# Altium PCB DIOT_template.PcbDoc (part 1 of 2) (continued)
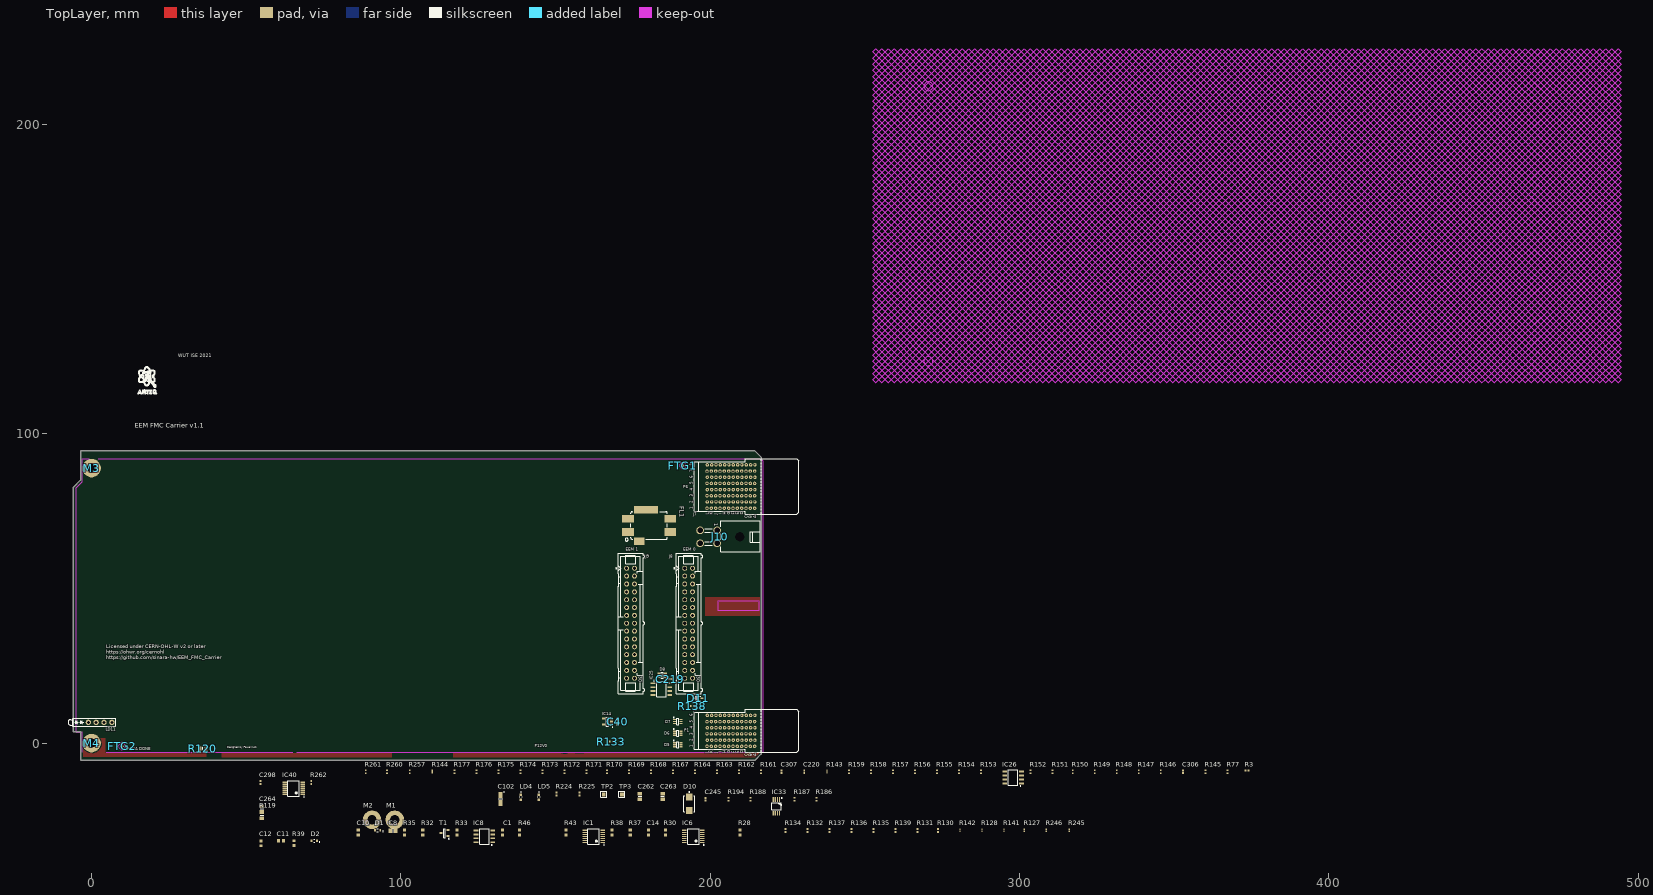
[diagram p0: TopLayer view]
## Design rules (kind name [scope] priority, off if disabled: settings) (continued)
RoutingLayers RoutingLayers_1 [InAnyDifferentialPair] p1: top layer_v5=TRUE mid layer 1_v5=FALSE mid layer 2_v5=TRUE mid layer 7_v5=TRUE bottom layer_v5=TRUE
RoutingLayers RoutingLayers_2 [InNetClass('50Ohm')] p2: top layer_v5=TRUE mid layer 1_v5=FALSE mid layer 2_v5=TRUE mid layer 7_v5=TRUE bottom layer_v5=TRUE
RoutingLayers [All] p3: top layer_v5=TRUE mid layer 1_v5=TRUE mid layer 2_v5=TRUE mid layer 7_v5=TRUE bottom layer_v5=TRUE
RoutingTopology RoutingTopology_DDRAddressAndControls [InNetClass('DDR_AddressAndControls')] p1: topology=Daisy_Simple
RoutingTopology RoutingTopology_DDRAddressAndControls_1 [InNetClass('DDR_AddressAndControls_1')] p2: topology=Daisy_Simple
RoutingTopology [All] p3: topology=Shortest
RoutingVias RoutingVias_3 [InDifferentialPairClass('MGT')] p1: holewidth=0.15 width=0.35 viastyle="Through Hole" minholewidth=0.15 minwidth=0.35 maxholewidth=0.6 maxwidth=0.8 useviatemplates=TRUE viatemplateguid#1={168CC3D4-46A9-4D9D-BB95-029752B0A818} viatemplateguid#2={8CC95450-9C4C-4A66-BFBB-022CCA0C80F0} viatemplatename#1=v40h20 viatemplatename#2=v50h20
RoutingVias RoutingVias_1 [InDifferentialPairClass('LVPECL')] p2: holewidth=0.15 width=0.35 viastyle="Through Hole" minholewidth=0.15 minwidth=0.35 maxholewidth=0.6 maxwidth=0.8 useviatemplates=TRUE viatemplateguid#1={168CC3D4-46A9-4D9D-BB95-029752B0A818} viatemplatename#1=v40h20
RoutingVias RoutingVias_diff [InDifferentialPairClass('Diff_100Ohm')] p3: holewidth=0.711 width=1.27 viastyle="Through Hole" minholewidth=0.711 minwidth=1.27 maxholewidth=0.711 maxwidth=1.27 useviatemplates=TRUE viatemplateguid#1={168CC3D4-46A9-4D9D-BB95-029752B0A818} viatemplateguid#2={8CC95450-9C4C-4A66-BFBB-022CCA0C80F0} viatemplatename#1=v40h20 viatemplatename#2=v50h20
RoutingVias RoutingVias_2 [InNetClass('PWR')] p4: holewidth=0.15 width=0.35 viastyle="Through Hole" minholewidth=0.15 minwidth=0.35 maxholewidth=0.6 maxwidth=0.8 useviatemplates=TRUE viatemplateguid#1={168CC3D4-46A9-4D9D-BB95-029752B0A818} viatemplateguid#2={8CC95450-9C4C-4A66-BFBB-022CCA0C80F0} viatemplateguid#3={6D5B961F-E4A3-4BBF-BC74-0D55AAD43065} viatemplateguid#4={7BA2FAF8-F5E9-4BF3-9BD8-21DB5C2C29C0} viatemplatename#1=v40h20 viatemplatename#2=v50h20 viatemplatename#3=v50h20m55 viatemplatename#4=v80h50
RoutingVias [All] p5: holewidth=0.15 width=0.35 viastyle="Through Hole" minholewidth=0.15 minwidth=0.35 maxholewidth=0.6 maxwidth=0.8 useviatemplates=TRUE viatemplateguid#1={168CC3D4-46A9-4D9D-BB95-029752B0A818} viatemplateguid#2={8CC95450-9C4C-4A66-BFBB-022CCA0C80F0} viatemplateguid#3={7BA2FAF8-F5E9-4BF3-9BD8-21DB5C2C29C0} viatemplatename#1=v40h20 viatemplatename#2=v50h20 viatemplatename#3=v80h50
SMDEntry [All] p1 off: side=TRUE corner=TRUE anyangle=FALSE
SilkToSilkClearance [All] p1: silktosilkclearance=0.15
SilkToSolderMaskClearance SilkscreenOverComponentPads [IsPad] p1: minsilkscreentomaskgap=0.025 clearancetoexposedcopper=FALSE
SolderMaskExpansion SolderMaskExpansion_1 [IsVia] p1: expansion=0.05 istentingtop=TRUE
SolderMaskExpansion [All] p2: expansion=0.05 istentingtop=FALSE
StubLength [All] p1: limit=3
SupplyNets "Schematic Supply Nets_7" [InNet('GND')] p1: voltage=0.000
SupplyNets "Schematic Supply Nets_6" [InNet('P3V3_MP2')] p2: voltage=0.000
SupplyNets "Schematic Supply Nets_5" [InNet('P3V3_DIOT')] p3: voltage=0.000
SupplyNets "Schematic Supply Nets_4" [InNet('P12V0_DIOT')] p4: voltage=0.000
SupplyNets "Schematic Supply Nets_3" [InNet('P3V3_MP')] p5: voltage=0.000
SupplyNets "Schematic Supply Nets_2" [InNet('STRIP1')] p6: voltage=0.000
SupplyNets "Schematic Supply Nets_1" [InNet('P12V0')] p7: voltage=0.000
SupplyNets "Schematic Supply Nets" [InNet('P3V3')] p8: voltage=0.000
UnConnectedPin [All] p1 off:
UnRoutedNet UnRoutedNet_1 [Not (InNet('STRIP1') or InNet('FMC_VIO_B_M2C'))] p2:
UnpouredPolygon UnpouredPolygon_1 [InPolygonClass('Copper_Balancing')] p1: allowunpoured=TRUE
UnpouredPolygon [All] p2:
ViasUnderSMD [All] p1: allowed=TRUE
Width Width_pwr [InNetClass('PWR')] p1: maxlimit=2 minlimit=0.3 preferedwidth=0.3 minimp=50.000000 maximp=50.000000 favimp=50.000000
Width Width_50Ohm [InNetClass('50Ohm')] p2: maxlimit=1 minlimit=0.167 preferedwidth=0.268 toplayer_maxwidth=0.167 toplayer_prefwidth=0.167 midlayer2_minwidth=0.268 midlayer2_maxwidth=0.268 midlayer7_minwidth=0.268 midlayer7_maxwidth=0.268 bottomlayer_maxwidth=0.167 bottomlayer_prefwidth=0.167 impedanceprofiledriven=TRUE impedanceprofileid={766963E9-4C46-4FD0-92C7-72FE31CC1419} impedanceprofilevalue=50.000000 minimp=50.000000 maximp=50.000000 favimp=50.000000
Width [All] p3: maxlimit=2 minlimit=0.08 preferedwidth=0.125 toplayer_minwidth=0.09 bottomlayer_minwidth=0.09 minimp=50.000000 maximp=50.000000 favimp=50.000000
13 further rules are at their usual default settings.

## Classes and differential pairs
component class EEM_Connectors: C219 C220 C298 C306 C307 D8 IC25 IC26 IC40 IC42 IC43 J8 J9 R3 R77 R143 R144 R145 R146 R147 R148 R149 R150 R151 R152 R153 R154 R155 R156 R157 R158 R159 R161 R162 R163 R164 R167 R168 R169 R170 R171 R172 R173 R174 R175 R176 R177 R257 R260 R261 R262
differential pair class MGT: BP_MGT.Rx BP_MGT.Tx BP_MGT_Rx BP_MGT_Tx FMC_MGT.DP_C2M0 FMC_MGT.DP_C2M1 FMC_MGT.DP_C2M2 FMC_MGT.DP_C2M3 FMC_MGT.DP_C2M4 FMC_MGT.DP_C2M5 FMC_MGT.DP_C2M6 FMC_MGT.DP_C2M7 FMC_MGT.DP_C2M8 FMC_MGT.DP_C2M9 FMC_MGT.DP_M2C0 FMC_MGT.DP_M2C1 FMC_MGT.DP_M2C2 FMC_MGT.DP_M2C3 FMC_MGT.DP_M2C4 FMC_MGT.DP_M2C5 FMC_MGT.DP_M2C6 FMC_MGT.DP_M2C7 FMC_MGT.DP_M2C8 FMC_MGT.DP_M2C9 MGT_RX0 MGT_RX1 MGT_RX2 MGT_RX3 MGT_RXC3 MGT_TX0 MGT_TX1 MGT_TX2 MGT_TX3 MGT_TXC3
net class LVDS_DUAL_P[0..4]: LVDS_DUAL_P0 LVDS_DUAL_P1 LVDS_DUAL_P2 LVDS_DUAL_P3 LVDS_DUAL_P4
net class LVDS_DUAL_N[0..4]: LVDS_DUAL_N0 LVDS_DUAL_N1 LVDS_DUAL_N2 LVDS_DUAL_N3 LVDS_DUAL_N4
net class ESD_STRIP: STRIP1 STRIP2 STRIP3
net class PWR: NetC264_2 P12V0 P12V0_DIOT
differential pair class Diff_100Ohm: BP_IO.LVDS0 BP_IO.LVDS1 BP_IO.LVDS2 BP_IO.LVDS3 BP_IO.LVDS4 BP_IO.LVDS5 BP_IO.LVDS6 BP_IO.LVDS7 BP_IO.LVDS8 BP_IO.LVDS9 BP_IO.LVDS10 BP_IO.LVDS11 BP_IO.LVDS12 BP_IO.LVDS13 BP_IO.LVDS14 BP_IO.LVDS15 CK_MMCX CK_MMCX_ALT CK_MMCX_IN CK_OSC CK_OSC_ALT CK_SMA CK_SMA_ALT CK_SMA_IN DDR3_CK DDR3_LDQS DDR3_UDQS EEM_IO.LVDS0 EEM_IO.LVDS1 EEM_IO.LVDS2 EEM_IO.LVDS3 EEM_IO.LVDS4 EEM_IO.LVDS5 EEM_IO.LVDS6 EEM_IO.LVDS7 EEM_IO.LVDS8 EEM_IO.LVDS9 EEM_IO.LVDS10 EEM_IO.LVDS11 EEM_IO.LVDS12 EEM_IO.LVDS13 EEM_IO.LVDS14 EEM_IO.LVDS15 FMC.HA0 FMC.HA1 FMC.HA2 FMC.HA3 FMC.HA4 FMC.HA5 FMC.HA6 FMC.HA7 FMC.HA8 FMC.HA9 FMC.HA10 FMC.HA11 FMC.HA12 FMC.HA13 FMC.HA14 FMC.HA15 FMC.HA16 FMC.HA17 FMC.HA18 FMC.HA19 FMC.HA20 FMC.HA21 FMC.HA22 FMC.HA23 FMC.HB0 FMC.HB1 FMC.HB2 FMC.HB3 FMC.HB4 FMC.HB5 FMC.HB6 FMC.HB7 FMC.HB8 FMC.HB9 FMC.HB10 FMC.HB11 FMC.HB12 FMC.HB13 FMC.HB14 FMC.HB15 FMC.HB16 FMC.HB17 FMC.HB18 FMC.HB19 FMC.HB20 FMC.HB21 FMC.LA0 FMC.LA1 FMC.LA2 FMC.LA3 FMC.LA4 FMC.LA5 FMC.LA6 FMC.LA7 FMC.LA8 FMC.LA9 FMC.LA10 FMC.LA11 FMC.LA12 FMC.LA13 FMC.LA14 FMC.LA15 FMC.LA16 FMC.LA17 FMC.LA18 FMC.LA19 FMC.LA20 FMC.LA21 FMC.LA22 FMC.LA23 FMC.LA24 FMC.LA25 FMC.LA26 FMC.LA27 FMC.LA28 FMC.LA29 FMC.LA30 FMC.LA31 FMC.LA32 FMC.LA33 FMC_CLK.CLK_BIDIR2 FMC_CLK.CLK_BIDIR3 FMC_CLK.CLK_M2C0 FMC_CLK.CLK_M2C1 FMC_MGT.GBTCLK_M2C0 FMC_MGT.GBTCLK_M2C1 GBTCLK0_M2C LVDS_DUAL0 LVDS_DUAL1 LVDS_DUAL2 LVDS_DUAL3 LVDS_DUAL4 LVDS_JTAG_TCK LVDS_JTAG_TDI LVDS_JTAG_TDO LVDS_JTAG_TMS LVDS_JTAG_TRSTn MGT_OR_LVDS OSC PE_CK PE_CLK PE_CLK.CLK PE_CLK_ALT
net class SHARED_BUS_[0..4]: SHARED_BUS_0 SHARED_BUS_1 SHARED_BUS_2 SHARED_BUS_3 SHARED_BUS_4
net class GA[0..3]: GA0 GA1 GA2 GA3
net class EEM_IO.LVDS_P[0..15]: EEM_IO.LVDS_P5 EEM_IO.LVDS_P6 EEM_IO.LVDS_P7 EEM_IO.LVDS_P8 EEM_IO.LVDS_P9 EEM_IO.LVDS_P10 EEM_IO.LVDS_P11 EEM_IO.LVDS_P12 EEM_IO.LVDS_P13 EEM_IO.LVDS_P14 EEM_IO.LVDS_P15
net class EEM_IO.LVDS_N[0..15]: EEM_IO.LVDS_N5 EEM_IO.LVDS_N6 EEM_IO.LVDS_N7 EEM_IO.LVDS_N8 EEM_IO.LVDS_N9 EEM_IO.LVDS_N10 EEM_IO.LVDS_N11 EEM_IO.LVDS_N12 EEM_IO.LVDS_N13 EEM_IO.LVDS_N14 EEM_IO.LVDS_N15
net class BP_IO.LVDS_P[0..15]: BP_IO.LVDS_P0 BP_IO.LVDS_P1 BP_IO.LVDS_P2 BP_IO.LVDS_P3 BP_IO.LVDS_P4 BP_IO.LVDS_P5 BP_IO.LVDS_P6 BP_IO.LVDS_P7 BP_IO.LVDS_P8 BP_IO.LVDS_P9 BP_IO.LVDS_P10 BP_IO.LVDS_P11 BP_IO.LVDS_P12 BP_IO.LVDS_P13 BP_IO.LVDS_P14 BP_IO.LVDS_P15
net class BP_IO.LVDS_N[0..15]: BP_IO.LVDS_N0 BP_IO.LVDS_N1 BP_IO.LVDS_N2 BP_IO.LVDS_N3 BP_IO.LVDS_N4 BP_IO.LVDS_N5 BP_IO.LVDS_N6 BP_IO.LVDS_N7 BP_IO.LVDS_N8 BP_IO.LVDS_N9 BP_IO.LVDS_N10 BP_IO.LVDS_N11 BP_IO.LVDS_N12 BP_IO.LVDS_N13 BP_IO.LVDS_N14 BP_IO.LVDS_N15
component class CPCIS_Connectors_P1_P6: C1 C8 C10 C11 C12 D2 D5 D6 D7 IC1 IC6 IC8 J6 J7 R28 R30 R32 R33 R35 R37 R38 R39 R40 R43 R46 R127 R128 R130 R131 R132 R133 R134 R135 R136 R137 R138 R139 R140 R141 R142 R245 R246 T1
component class DIOT_template: C212 FTG1 FTG2 FTG3 FTG4 M1 M2 M3 M4 R119 R120 R126
component class U_PWR_Supply: C40 C102 C245 C262 C263 C264 D10 D11 FL1 IC14 IC33 J10 LD4 LD5 LD11 R186 R187 R188 R194 R224 R225 TP2 TP3
pad class MH: M3-1 M4-1
differential pair BP_MGT_Rx: +BP_MGT_Rx_P -BP_MGT_Rx_N
differential pair BP_MGT_Tx: +BP_MGT_Tx_P -BP_MGT_Tx_N
differential pair PE_CLK.CLK: +PE_CLK.CLK_P -PE_CLK.CLK_N
differential pair BP_MGT.Rx: +BP_MGT.Rx_P -BP_MGT.Rx_N
differential pair LVDS_DUAL4: +LVDS_DUAL_P4 -LVDS_DUAL_N4
differential pair LVDS_DUAL3: +LVDS_DUAL_P3 -LVDS_DUAL_N3
differential pair LVDS_DUAL2: +LVDS_DUAL_P2 -LVDS_DUAL_N2
differential pair LVDS_DUAL1: +LVDS_DUAL_P1 -LVDS_DUAL_N1
differential pair LVDS_DUAL0: +LVDS_DUAL_P0 -LVDS_DUAL_N0
differential pair PE_CLK: +PE_CLK_P -PE_CLK_N
differential pair EEM_IO.LVDS15: +EEM_IO.LVDS_P15 -EEM_IO.LVDS_N15
differential pair EEM_IO.LVDS14: +EEM_IO.LVDS_P14 -EEM_IO.LVDS_N14
differential pair EEM_IO.LVDS13: +EEM_IO.LVDS_P13 -EEM_IO.LVDS_N13
differential pair EEM_IO.LVDS12: +EEM_IO.LVDS_P12 -EEM_IO.LVDS_N12
differential pair EEM_IO.LVDS11: +EEM_IO.LVDS_P11 -EEM_IO.LVDS_N11
differential pair EEM_IO.LVDS10: +EEM_IO.LVDS_P10 -EEM_IO.LVDS_N10
differential pair EEM_IO.LVDS9: +EEM_IO.LVDS_P9 -EEM_IO.LVDS_N9
differential pair EEM_IO.LVDS8: +EEM_IO.LVDS_P8 -EEM_IO.LVDS_N8
differential pair EEM_IO.LVDS7: +EEM_IO.LVDS_P7 -EEM_IO.LVDS_N7
differential pair EEM_IO.LVDS6: +EEM_IO.LVDS_P6 -EEM_IO.LVDS_N6
differential pair EEM_IO.LVDS5: +EEM_IO.LVDS_P5 -EEM_IO.LVDS_N5
differential pair BP_MGT.Tx: +BP_MGT.Tx_P -BP_MGT.Tx_N
differential pair BP_IO.LVDS15: +BP_IO.LVDS_P15 -BP_IO.LVDS_N15
differential pair BP_IO.LVDS14: +BP_IO.LVDS_P14 -BP_IO.LVDS_N14
differential pair BP_IO.LVDS13: +BP_IO.LVDS_P13 -BP_IO.LVDS_N13
differential pair BP_IO.LVDS12: +BP_IO.LVDS_P12 -BP_IO.LVDS_N12
differential pair BP_IO.LVDS11: +BP_IO.LVDS_P11 -BP_IO.LVDS_N11
differential pair BP_IO.LVDS10: +BP_IO.LVDS_P10 -BP_IO.LVDS_N10
differential pair BP_IO.LVDS9: +BP_IO.LVDS_P9 -BP_IO.LVDS_N9
differential pair BP_IO.LVDS8: +BP_IO.LVDS_P8 -BP_IO.LVDS_N8
differential pair BP_IO.LVDS7: +BP_IO.LVDS_P7 -BP_IO.LVDS_N7
differential pair BP_IO.LVDS6: +BP_IO.LVDS_P6 -BP_IO.LVDS_N6
differential pair BP_IO.LVDS5: +BP_IO.LVDS_P5 -BP_IO.LVDS_N5
differential pair BP_IO.LVDS4: +BP_IO.LVDS_P4 -BP_IO.LVDS_N4
differential pair BP_IO.LVDS3: +BP_IO.LVDS_P3 -BP_IO.LVDS_N3
differential pair BP_IO.LVDS2: +BP_IO.LVDS_P2 -BP_IO.LVDS_N2
differential pair BP_IO.LVDS1: +BP_IO.LVDS_P1 -BP_IO.LVDS_N1
differential pair BP_IO.LVDS0: +BP_IO.LVDS_P0 -BP_IO.LVDS_N0

## Components (designator, comment, footprint, x,y, rotation, side; value= is the part's Value field where it differs from the comment)
C1 "100nF" CAPC1608X87N 132.797,-28.955 r270 top
C8 "22uF" CAPC2012X135N 97.466,-28.346 r180 top
C10 "100nF" CAPC1608X87N 86.214,-28.955 r270 top
C11 "100nF" CAPC1608X87N 61.195,-31.597 r180 top
C12 "1uF" CAPC1608X87N 54.794,-32.41 r270 top
C14 "100nF" CAPC1608X87N 179.991,-28.955 r270 top
C40 "1uF" CAPC1608X87N 170.048,6.95 r270 top
C102 "4.7uF" CAPMP3216X180N 132.188,-18.084 r270 top
C212 "22pF" CAPC1005X55N 5.748,0.45 r0 bottom
C219 "100nF" CAPC1005X55N 187.04,20.667 r0 top
C220 "100nF" CAPC1005X55N 230.41,-9.27 r270 top
C245 "100nF" CAPC1005X55N 198.533,-18.16 r270 top
C262 "10uF" CAPC2012X95N 177.273,-17.271 r270 top
C263 "10uF" CAPC2012X95N 184.639,-17.271 r270 top
C264 "10uF" CAPC2012X95N 55.048,-21.31 r270 top
C298 "100nF" CAPC1005X55N 54.54,-12.725 r270 top
C306 "100nF" CAPC1005X55N 352.812,-9.27 r270 top
C307 "100nF" CAPC1005X55N 223.044,-9.27 r270 top
D1 "CDBU0520-HF" SOD-523F 92.462,-28.142 r180 top
D2 "CDBU0520-HF" SOD-523F 71.964,-31.597 r180 top
D5 "PESD3V3L5UY" SOT65P210X110-6N 189.498,-0.55 r0 top
D6 "PESD3V3L5UY" SOT65P210X110-6N 189.498,3.2 r0 top
D7 "PESD3V3L5UY" SOT65P210X110-6N 189.498,6.95 r0 top
D8 "PESD3V3L5UY" SOT65P210X110-6N 184.463,21.923 r180 top
D10 "SMBJ12A" DIOM5336X265N 193.249,-19.608 r270 top
D11 "BAT165" SOD2512X110N 196.065,14.417 r0 top
FL1 "10A/50VDC" FIL_MURATA_BNX02 180.238,70.333 r180 top
FTG1 "Use only in PCB" FIDUCIAL_TOP_C100-200 191.16,89.687 r90 top
FTG2 "Use only in PCB" FIDUCIAL_TOP_S100-200 9.83,-1.016 r90 top
FTG3 "Use only in PCB" FIDUCIAL_TOP_S100-200 190.673,90.157 r90 bottom
FTG4 "Use only in PCB" FIDUCIAL_TOP_S100-200 8.204,-1.016 r90 bottom
IC1 "74HC4066PW" SOP65P640X110-14N 162.338,-30.2 r180 top
IC6 "74HC4066PW" SOP65P640X110-14N 194.57,-30.2 r180 top
IC8 "TLC555ID" SOIC127P600X175-8N 126.981,-30.149 r180 top
IC14 "MIC5219-3.3YM5" SOT95P280X145-5N 166.798,6.95 r180 top
IC25 "24AA025E48-I/SN" SOIC127P600X175-8N 184.213,17.423 r0 top
IC26 "24AA025E48-I/SN" SOIC127P600X175-8N 297.948,-11.124 r180 top
IC33 "LM75AIMM/NOPB" SOP65P490X109-8N 221.418,-20.446 r270 top
IC40 "74HC4066PW" SOP65P640X110-14N 65.31,-14.63 r180 top
J6 "P1" AMPHENOL_10052825-101LF 206.719,3.95 r90 top locked
J7 "P6" AMPHENOL_10052838-101LF 206.719,82.95 r90 top locked
J8 "" 3M_N2530-6002RB 193.043,38.73 r270 top locked
J9 "" 3M_N2530-6002RB 174.273,38.729 r270 top locked
J10 "Mini-Fit Jr.™" MOLEX_39-30-0040 199.485,66.667 r270 top
LD4 "Green" LED_KINGBRIGHT_KPH-1608CGCK 138.792,-17.5 r270 top
LD5 "Green" LED_KINGBRIGHT_KPH-1608CGCK 144.634,-17.5 r270 top
LD11 "Red/Green" LED_DIALIGHT_571-0112F -1.07,6.7 r0 top locked
M1 "Plated Hole" MTG300_600#1 98.025,-24.815 r180 top
M2 "Plated Hole" MTG300_600#1 90.659,-24.815 r180 top
M3 "Plated Hole" MTG300_600#2 0.568,88.9 r0 top locked
M4 "Plated Hole" MTG300_600#2 0.568,0 r0 top locked
R3 "0" RESC1005X40N 373.539,-8.864 r180 top
R28 "10k" RESC1608X55N 209.658,-28.904 r270 top
R30 "10k" RESC1608X55N 185.579,-28.904 r270 top
R32 "0" RESC1608X55N 107.067,-28.904 r270 top
R33 "0" RESC1608X55N 118.142,-28.904 r270 top
R35 "2k7" RESC1608X55N 101.225,-28.904 r270 top
R37 "10k" RESC1608X55N 174.149,-28.904 r270 top
R38 "10k" RESC1608X55N 168.307,-28.904 r270 top
R39 "10k" RESC1608X55N 65.462,-32.359 r270 top
R40 "10k" RESC1608X55N 191.713,12.423 r270 bottom
R43 "2k7" RESC1608X55N 153.346,-28.904 r270 top
R46 "10k" RESC1608X55N 138.385,-28.904 r270 top
R77 "0" RESC1005X40N 367.29,-9.27 r270 top
R119 "10M" RESC2113X55N 55.048,-23.367 r270 top
R120 "10M" RESC2113X55N 35.998,-1.8 r180 top
R126 "1M1" RESC2012X60N 5.348,87.85 r0 bottom
R127 "0" RESC0603X28N 301.58,-28.219 r270 top
R128 "0" RESC0603X28N 287.864,-28.219 r270 top
R130 "22" RESC1005X40N 273.666,-28.295 r270 top
R131 "22" RESC1005X40N 267.062,-28.295 r270 top
R132 "22" RESC1005X40N 231.476,-28.295 r270 top
R133 "22" RESC1005X40N 167.998,0.45 r0 top
R134 "22" RESC1005X40N 224.364,-28.295 r270 top
R135 "22" RESC1005X40N 252.812,-28.295 r270 top
R136 "22" RESC1005X40N 245.7,-28.295 r270 top
R137 "22" RESC1005X40N 238.588,-28.295 r270 top
R138 "22" RESC1005X40N 194.213,11.923 r0 top
R139 "22" RESC1005X40N 259.95,-28.295 r270 top
R140 "22" RESC1005X40N 194.213,11.923 r0 bottom
R141 "0" RESC0603X28N 294.976,-28.219 r270 top
R142 "0" RESC0603X28N 280.752,-28.219 r270 top
R143 "0" RESC0603X28N 237.75,-9.194 r270 top
R144 "0" RESC0603X28N 110.191,-9.194 r270 top
R145 "0" RESC1005X40N 360.178,-9.27 r270 top
R146 "0" RESC1005X40N 345.675,-9.27 r270 top
R147 "0" RESC1005X40N 338.563,-9.27 r270 top
R148 "0" RESC1005X40N 331.451,-9.27 r270 top
R149 "0" RESC1005X40N 324.339,-9.27 r270 top
R150 "0" RESC1005X40N 317.227,-9.27 r270 top
R151 "0" RESC1005X40N 310.623,-9.27 r270 top
R152 "0" RESC1005X40N 303.511,-9.27 r270 top
R153 "0" RESC1005X40N 287.56,-9.27 r270 top
R154 "0" RESC1005X40N 280.448,-9.27 r270 top
R155 "0" RESC1005X40N 273.336,-9.27 r270 top
R156 "0" RESC1005X40N 266.224,-9.27 r270 top
R157 "0" RESC1005X40N 259.112,-9.27 r270 top
R158 "0" RESC1005X40N 252,-9.27 r270 top
R159 "0" RESC1005X40N 244.888,-9.27 r270 top
R161 "0" RESC1005X40N 216.414,-9.27 r270 top
R162 "0" RESC1005X40N 209.302,-9.27 r270 top
R163 "0" RESC1005X40N 202.19,-9.27 r270 top
R164 "0" RESC1005X40N 195.078,-9.27 r270 top
R167 "0" RESC1005X40N 187.966,-9.27 r270 top
R168 "0" RESC1005X40N 180.854,-9.27 r270 top
R169 "0" RESC1005X40N 173.742,-9.27 r270 top
R170 "0" RESC1005X40N 166.63,-9.27 r270 top
R171 "0" RESC1005X40N 160.026,-9.27 r270 top
R172 "0" RESC1005X40N 152.914,-9.27 r270 top
R173 "0" RESC1005X40N 145.777,-9.27 r270 top
R174 "0" RESC1005X40N 138.665,-9.27 r270 top
R175 "0" RESC1005X40N 131.553,-9.27 r270 top
R176 "0" RESC1005X40N 124.441,-9.27 r270 top
R177 "0" RESC1005X40N 117.329,-9.27 r270 top
R186 "1k6" RESC1005X40N 234.347,-18.16 r270 top
R187 "10k" RESC1005X40N 227.235,-18.16 r270 top
R188 "0" RESC1005X40N 213.011,-18.16 r270 top
R194 "0" RESC1005X40N 205.899,-18.16 r270 top
R224 "10k" RESC1005X40N 150.323,-16.484 r270 top
R225 "1k" RESC1005X40N 157.689,-16.484 r270 top
R245 "0" RESC0603X28N 316.084,-28.219 r270 top
R246 "0" RESC0603X28N 308.692,-28.219 r270 top
R257 "0" RESC1005X40N 102.851,-9.27 r270 top
R260 "0" RESC1005X40N 95.485,-9.27 r270 top
R261 "0" RESC1005X40N 88.627,-9.27 r270 top
R262 "0" RESC1005X40N 71.025,-12.725 r270 top
T1 "BSS138LT1G" SOT95P240X110-3N 114.103,-29.133 r180 top
TP2 "P12V0" TPS127 165.589,-16.585 r180 top
TP3 "P3V3" TPS127 171.431,-16.585 r180 top

## Footprints (in the part's own frame and the unit in brackets; to place one, negate y for a bottom-side part, rotate by r counter-clockwise, add the part's x,y. Pads: shape width x height; smd on the part's side, far side on the other; paste and mask are expansions set on the pad)
3M_N2530-6002RB [mm] "30 Contacts - Straight .100\" x .100\" Low Profile Four-Wall Header"
  round 1.6 hole 1: 1(-17.78,-1.27) 2(-17.78,1.27) 3(-15.24,-1.27) 4(-15.24,1.27) 5(-12.7,-1.27) 6(-12.7,1.27) 7(-10.16,-1.27) 8(-10.16,1.27) 9(-7.62,-1.27) 10(-7.62,1.27) 11(-5.08,-1.27) 12(-5.08,1.27) 13(-2.54,-1.27) 14(-2.54,1.27) 15(0,-1.27) 16(0,1.27) 17(2.54,-1.27) 18(2.54,1.27) 19(5.08,-1.27) 20(5.08,1.27) 21(7.62,-1.27) 22(7.62,1.27) 23(10.16,-1.27) 24(10.16,1.27) 25(12.7,-1.27) 26(12.7,1.27) 27(15.24,-1.27) 28(15.24,1.27) 29(17.78,-1.27) 30(17.78,1.27)
  silkscreen extent -22.71,-4.85 22.71,4.52, body extent -22.71,-4.11 22.71,4.52, height 9.91
AMPHENOL_10052825-101LF [mm] "72 Contacts, 2mm Pitch, 6 Columns, 4 Pairs per Column, 4 Walls, Right Angle Header"
  round 1.1 hole 0.5: A1(-5,-7.65) A2(-3,-7.75) A3(-1,-7.65) A4(1,-7.75) A5(3,-7.65) A6(5,-7.75) B1(-5,-6.25) B2(-3,-6.35) B3(-1,-6.25) B4(1,-6.35) B5(3,-6.25) B6(5,-6.35) C1(-5,-4.85) C2(-3,-4.95) C3(-1,-4.85) C4(1,-4.95) C5(3,-4.85) C6(5,-4.95) D1(-5,-3.45) D2(-3,-3.55) D3(-1,-3.45) D4(1,-3.55) D5(3,-3.45) D6(5,-3.55) E1(-5,-2.05) E2(-3,-2.15) E3(-1,-2.05) E4(1,-2.15) E5(3,-2.05) E6(5,-2.15) F1(-5,-0.65) F2(-3,-0.75) F3(-1,-0.65) F4(1,-0.75) F5(3,-0.65) F6(5,-0.75) G1(-5,0.75) G2(-3,0.65) G3(-1,0.75) G4(1,0.65) G5(3,0.75) G6(5,0.65) H1(-5,2.15) H2(-3,2.05) H3(-1,2.15) H4(1,2.05) H5(3,2.15) H6(5,2.05) I1(-5,3.55) I2(-3,3.45) I3(-1,3.55) I4(1,3.45) I5(3,3.55) I6(5,3.45) J1(-5,4.95) J2(-3,4.85) J3(-1,4.95) J4(1,4.85) J5(3,4.95) J6(5,4.85) K1(-5,6.35) K2(-3,6.25) K3(-1,6.35) K4(1,6.25) K5(3,6.35) K6(5,6.25) L1(-5,7.75) L2(-3,7.65) L3(-1,7.75) L4(1,7.65) L5(3,7.75) L6(5,7.65)
  silkscreen extent -6.95,-21.95 6.95,11.85, body extent -6.95,-21.95 6.95,11.85, height 15.25
AMPHENOL_10052838-101LF [mm] "96 Contacts, 2mm Pitch, 8 Columns, 4 Pairs per Column, 4 Walls, Right Angle Header"
  round 1.1 hole 0.5: A1(-7,-7.65) A2(-5,-7.75) A3(-3,-7.65) A4(-1,-7.75) A5(1,-7.65) A6(3,-7.75) A7(5,-7.65) A8(7,-7.75) B1(-7,-6.25) B2(-5,-6.35) B3(-3,-6.25) B4(-1,-6.35) B5(1,-6.25) B6(3,-6.35) B7(5,-6.25) B8(7,-6.35) C1(-7,-4.85) C2(-5,-4.95) C3(-3,-4.85) C4(-1,-4.95) C5(1,-4.85) C6(3,-4.95) C7(5,-4.85) C8(7,-4.95) D1(-7,-3.45) D2(-5,-3.55) D3(-3,-3.45) D4(-1,-3.55) D5(1,-3.45) D6(3,-3.55) D7(5,-3.45) D8(7,-3.55) E1(-7,-2.05) E2(-5,-2.15) E3(-3,-2.05) E4(-1,-2.15) E5(1,-2.05) E6(3,-2.15) E7(5,-2.05) E8(7,-2.15) F1(-7,-0.65) F2(-5,-0.75) F3(-3,-0.65) F4(-1,-0.75) F5(1,-0.65) F6(3,-0.75) F7(5,-0.65) F8(7,-0.75) G1(-7,0.75) G2(-5,0.65) G3(-3,0.75) G4(-1,0.65) G5(1,0.75) G6(3,0.65) G7(5,0.75) G8(7,0.65) H1(-7,2.15) H2(-5,2.05) H3(-3,2.15) H4(-1,2.05) H5(1,2.15) H6(3,2.05) H7(5,2.15) H8(7,2.05) I1(-7,3.55) I2(-5,3.45) I3(-3,3.55) I4(-1,3.45) I5(1,3.55) I6(3,3.45) I7(5,3.55) I8(7,3.45) J1(-7,4.95) J2(-5,4.85) J3(-3,4.95) J4(-1,4.85) J5(1,4.95) J6(3,4.85) J7(5,4.95) J8(7,4.85) K1(-7,6.35) K2(-5,6.25) K3(-3,6.35) K4(-1,6.25) K5(1,6.35) K6(3,6.25) K7(5,6.35) K8(7,6.25) L1(-7,7.75) L2(-5,7.65) L3(-3,7.75) L4(-1,7.65) L5(1,7.75) L6(3,7.65) L7(5,7.75) L8(7,7.65)
  silkscreen extent -8.95,-21.95 8.95,11.85, body extent -8.95,-21.95 8.95,11.85, height 15.25
CAPC1005X55N [mm] "Capacitor, Non-Polarized, Chip; 1.00mm L X 0.50mm W X 0.70mm H, IPC Medium Density"
  rect 0.62x0.62 smd: 1(-0.45,0) 2(0.45,0)
  body extent -0.52,-0.27 0.53,0.28, height 0.55
CAPC1608X87N [mm] "Chip Capacitor, Body 1.6x0.8mm IPC Medium Density"
  rect 0.95x1 smd: 1(-0.8,0) 2(0.8,0)
  body extent -0.87,-0.47 0.88,0.48, height 0.87
CAPC2012X95N [mm] "Chip Capacitor, Body 2.0x1.25mm, IPC Medium Density"
  rect 1.1x1.45 smd: 1(-0.9,0) 2(0.9,0)
  silkscreen extent 0,-0.58 0,0.58, body extent -1.05,-0.67 1.05,0.68, height 0.95
CAPC2012X135N [mm] "Chip Capacitor, Body 2.0x1.25mm, IPC Medium Density"
  rect 1.05x1.4 smd: 1(-0.9,0) 2(0.9,0)
  silkscreen extent 0,-0.58 0,0.58, body extent -1.05,-0.67 1.05,0.68, height 1.25
CAPMP3216X180N [mm] "Capacitor, Polarized, Molded  Body 3.2x1.6mm, IPC Medium Density"
  rect 1.8x1.25 smd: 1(-1.3,0) 2(1.3,0)
  silkscreen extent -2.4,-0.7 0,1.25, body extent -1.7,-0.9 1.7,0.9, height 1.6
DIOM5336X265N [mm] "DO-214-AA/SMB Diode, Molded Body; 5.34mm L X 3.625mm W X 2.65mm H, IPC Medium Density"
  rect 2.3x2.15 smd: 1(-2.15,0) 2(2.15,0)
  silkscreen extent -3.92,-1.8 2.65,1.8, body extent -2.7,-1.95 2.7,1.95, height 2.4
FIDUCIAL_TOP_C100-200 [mm] "Round Fiducial Target, Top Layer, 1.0mm, Top Solder 2.0mm, Keepout =2.0mm"
  round 1 smd paste-0.51 mask+0.5: FTG2(0,0)
  TopLayer keep-out circle w0.1: c0,0 r1
FIDUCIAL_TOP_S100-200 [mm] "Square Fiducial Target, Top Layer, 1.0mm, Top Solder 2.0mm, Keepout =2.0mm"
  rect 1x1 smd rot 45 paste-0.51 mask+0.5: 1(0,0)
  TopLayer keep-out region: 1.414,0 0,-1.414 -1.414,0 0,1.414
FIL_MURATA_BNX02 [mm] "Block Type EMIFIL LC Combined Type, BNX02* Series"
  rect 3.8x2.5 smd: 1(-6.85,2.1) 2(6.85,2.1) 3(-6.85,-2.2) 4(6.85,-2.2)
  rect 7.9x2.3 smd: 4(1,-5.1)
  rect 3.4x2.3 smd: 4(3.25,5.1)
  silkscreen extent -5.95,-4.45 7.77,5.05, body extent -6.05,-4.55 6.05,4.55, height 3.1
LED_DIALIGHT_571-0112F [mm] "2x 2mm LED (Top: Red, Bot: Green) PCB Edge Mounting (Without positioning pins) DIALIGHT 571 Serie"
  round 1.7 hole 1: 1(0,0) 2(2.54,0) 3(5.08,0) 4(7.62,0)
  silkscreen extent -6.55,-1.24 8.89,1.24, body extent -6.55,-1.24 8.89,1.24, height 8.61
LED_KINGBRIGHT_KPH-1608CGCK [mm] "SMT Green LED, Case 0603, Body L 1.6 x W 0.8mm H 0.65mm"
  rect 0.8x0.8 smd: 1(-0.825,0) 2(0.825,0)
  silkscreen extent -1.82,-0.4 0.08,0.4, body extent -0.8,-0.4 0.8,0.4, height 0.65
MOLEX_39-30-0040 [mm] "4.20mm (.165\") Pitch Mini-Fit Jr. Header, Dual Row, Right Angle with Snap-in Plastic Peg PCB Lock, 4 Circuits"
  round 2.5 hole 1.8: 1(-2.1,2.75) 2(2.1,2.75) 3(-2.1,-2.75) 4(2.1,-2.75)
  round 1 hole 3 unplated mask+1: 5(0,10.05)
  silkscreen extent -5.2,-1.24 4.8,16.65, body extent -5.2,-3.28 4.8,16.65, height 11.4
MTG300_600#1 [mm] "Plated Through Hole: Hole Dia.=3.0mm Pad Dia.=6.0mm"
  round 6 hole 3: 1(0,0)
MTG300_600#2 [mm] "Plated Through Hole: Hole Dia.=3.0mm Pad Dia.=6.0mm"
  round 6 hole 3: 1(-0.568,0)
RESC0603X28N [mm] "Chip Resistor, EIA 0201, Metric 0603, Body 0.6 x 0.3mm, IPC Medium Density"
  rect 0.5x0.45 smd paste-0.025 mask-0.025: 1(-0.33,0) 2(0.33,0)
  body extent -0.32,-0.17 0.33,0.18, height 0.28
RESC1005X40N [mm] "Chip Resistor, EIA 0402, Metric 1005, Body 1.0x0.5mm, IPC Medium Density"
  rect 0.58x0.62 smd: 1(-0.47,0) 2(0.47,0)
  body extent -0.52,-0.27 0.53,0.28, height 0.4
RESC1608X55N [mm] "Chip Resistor, EIA 0603, Metric 1608, Body 1.6x0.8mm, IPC Medium Density"
  rect 0.9x1 smd: 1(-0.8,0) 2(0.8,0)
  body extent -0.87,-0.47 0.88,0.48, height 0.55
RESC2012X60N [mm] "Chip Resistor, EIA 0805, Metric 2012, Body 2.0x1.2mm, IPC Medium Density"
  rect 0.95x1.4 smd: 1(-1,0) 2(1,0)
  silkscreen extent 0,-0.55 0,0.55, body extent -1.1,-0.67 1.1,0.68, height 0.6
RESC2113X55N [mm] "Chip Resistor, EIA 0805, Metric 2113, Body 2.05x1.3mm, IPC Medium Density"
  rect 1x1.45 smd: 1(-0.95,0) 2(0.95,0)
  silkscreen extent 0,-0.55 0,0.55, body extent -1,-0.62 1,0.63, height 0.55
SOD2512X110N [mm] "Small Outline Diode (SOD-323), 1.70mm W X 1.25mm L X 1.10mm H body,  IPC Medium Density"
  rect 0.9x0.5 smd: 1(-1.3,0) 2(1.3,0)
  silkscreen extent -1.62,-0.65 0.85,0.87, body extent -1.35,-0.67 1.35,0.68, height 1.1
SOD-523F [mm] "Small Outline Diode Flat Lead (SOD-523F), Body; 1.80mm L X 1mm W X 0.85mm H"
  rect 0.6x0.8 smd: 1(-0.85,0) 2(0.85,0)
  silkscreen extent -1.88,-0.5 0.2,0.52, body extent -0.91,-0.5 0.89,0.5, height 0.85
SOIC127P600X175-8N [mm] "SOIC 8, Pitch 1.27mm - Body 4x5mm, IPC Medium Density"
  rect 1.55x0.6 smd: 1(-2.7,1.905) 2(-2.7,0.635) 3(-2.7,-0.635) 4(-2.7,-1.905) 5(2.7,-1.905) 6(2.7,-0.635) 7(2.7,0.635) 8(2.7,1.905)
  silkscreen extent -2.53,-2.5 1.55,2.88, body extent -3.1,-2.5 3.1,2.5, height 1.75
SOP65P490X109-8N [mm] "SOP, 0.65mm pitch; 8 pin,3.00mm W X 3.00mm L X 1.09mm H bodyI, PC Medium Density"
  rect 1.5x0.45 smd: 1(-2.2,0.975) 2(-2.2,0.325) 3(-2.2,-0.325) 4(-2.2,-0.975) 5(2.2,-0.975) 6(2.2,-0.325) 7(2.2,0.325) 8(2.2,0.975)
  silkscreen extent -2.82,-1.5 1.12,1.83, body extent -2.45,-1.55 2.45,1.55, height 1.09
SOP65P640X110-14N [mm] "SOP, 14-Leads, Body 4.4x5mm (max), Pitch 0.65mm, IPC Medium Density"
  rect 1.45x0.45 smd: 1(-2.9,1.95) 2(-2.9,1.3) 3(-2.9,0.65) 4(-2.9,0) 5(-2.9,-0.65) 6(-2.9,-1.3) 7(-2.9,-1.95) 8(2.9,-1.95) 9(2.9,-1.3) 10(2.9,-0.65) 11(2.9,0) 12(2.9,0.65) 13(2.9,1.3) 14(2.9,1.95)
  silkscreen extent -3.48,-2.5 1.85,2.82, body extent -3.12,-2.55 3.12,2.55, height 1.1
SOT65P210X110-6N [mm] "SOT363, SC70-6, SOT, 0.65mm Pitch, 6 Pin, 1.25mm W X 2.00mm L X 1.10mm H, IPC Medium Density"
  rect 0.95x0.4 smd: 1(-1.1,0.65) 2(-1.1,0) 3(-1.1,-0.65) 4(1.1,-0.65) 5(1.1,0) 6(1.1,0.65)
  silkscreen extent -1.42,-1 0.3,1.47, body extent -1.2,-1.1 1.2,1.1, height 1.1
SOT95P240X110-3N [mm] "SOT23 3-Leads, Pitch 0.95mm, Body 1.3x2.9mm, IPC Medium Density"
  rect 1.05x0.65 smd: 1(-1.15,0.95) 2(-1.15,-0.95) 3(1.15,0)
  silkscreen extent -1.53,-1.45 0.3,1.92, body extent -1.25,-1.5 1.25,1.5, height 1.1
SOT95P280X145-5N [mm] "SOT, 0.95mm pitch; 5 pin, 1.60mm W X 2.90mm L X 1.45mm H body, IPC Medium Density"
  rect 1.1x0.6 smd: 1(-1.3,0.95) 2(-1.3,0) 3(-1.3,-0.95) 4(1.3,-0.95) 5(1.3,0.95)
  silkscreen extent -1.73,-1.45 0.43,1.87, body extent -1.4,-1.5 1.4,1.5, height 1.45
TPS127 [mm] "1.27 x  1.27mm SMD Test Point Area"
  rect 1.27x1.27 smd paste-1.27: 1(0,0)
  silkscreen extent -0.94,-0.94 0.94,0.94